# Altium PCB RFID final.PcbDoc (part 2 of 3) (continued)
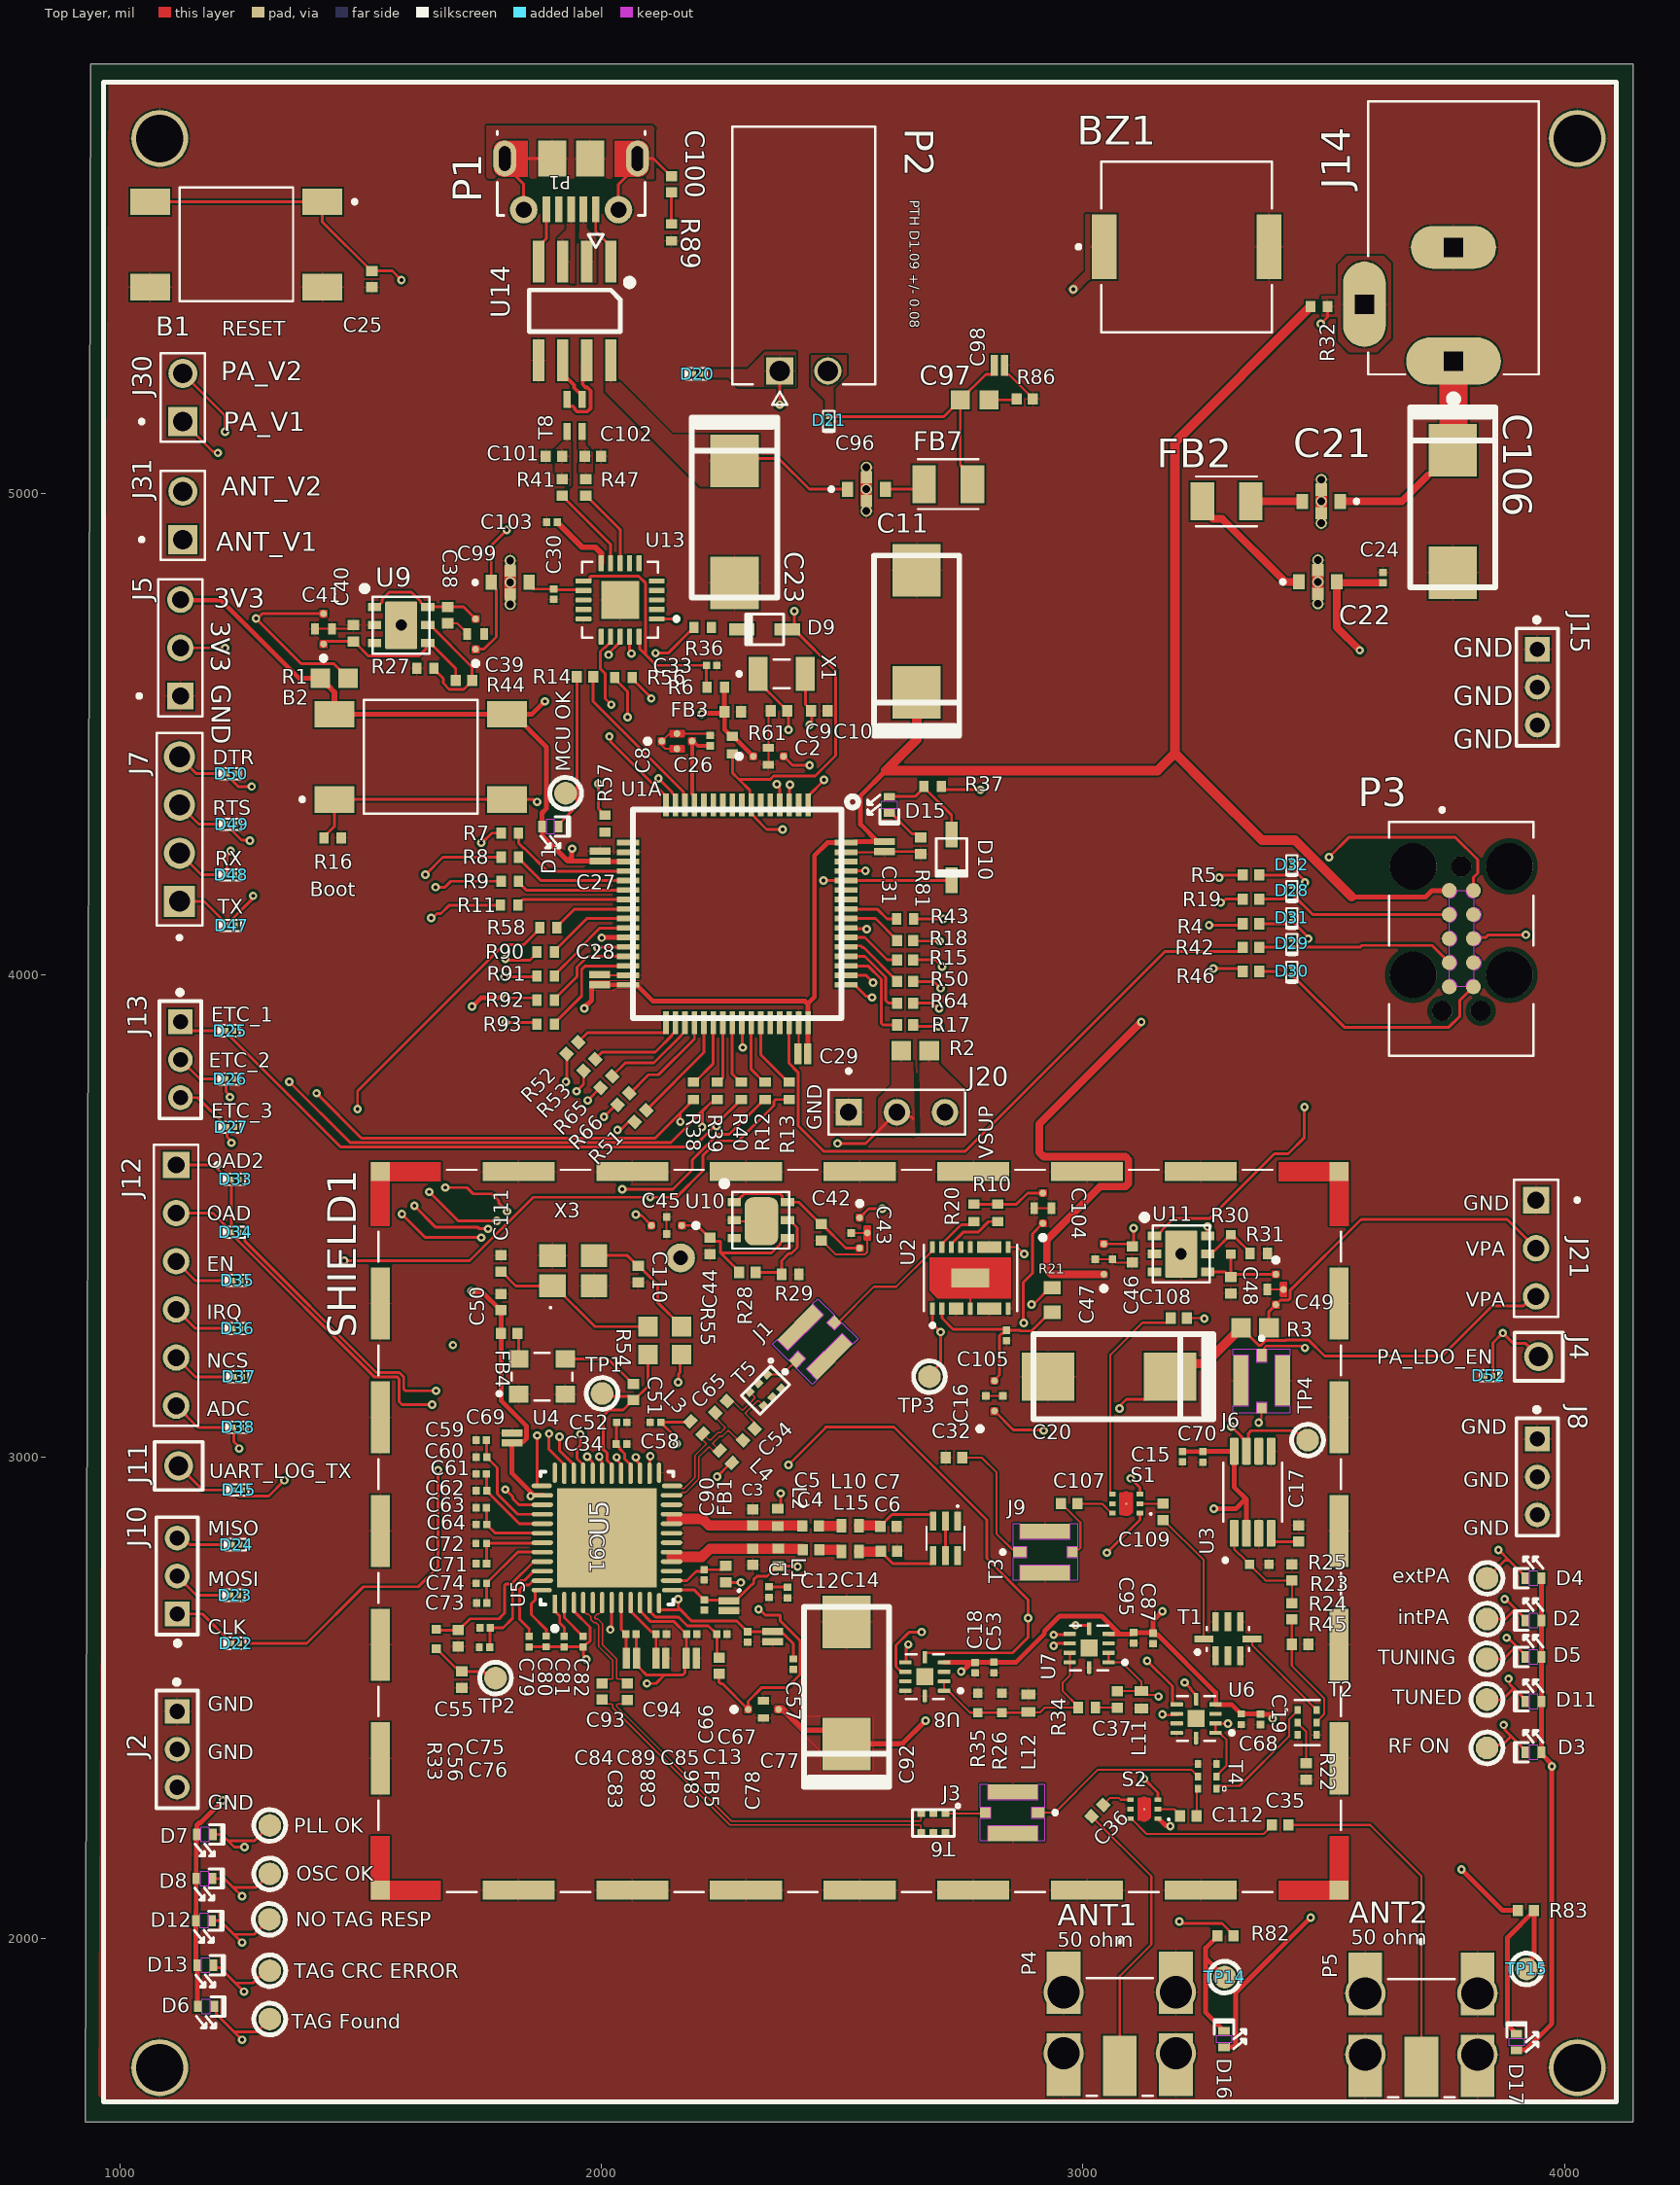
[diagram p0: Top Layer view]
## Nets (pads, with @x,y where several pads share a name; then routed paths per layer and width w, separated by ;. In a path a pad name is that pad's centre, name@x,y a point inside that pad or via, vN(x,y) a via of type N, cw(c..) or ccw(c..) an arc to the next point about the centre after c; other vN are vias at no path point) (continued)
  Routing w15.75: v1(3121,3903) 3210.19,3992.19 3330.19,3992.19 3575,4237 v1(3575,4675)
ADC: D38.1 J12.6 U5.39 | length 867.4
  Top Layer w5.91: J12.6@1116.14,3105.94 1161.14,3060.94 D38.1@1236.14,3060.94 1236.14,3031.05 1247,3020.2 v1(1247,3017) ; v1(1800,2932) 1815.92,2916.08 1815.92,2912.3 1827.99,2900.24 U5.39@1876.76,2900.24
  Gnd w5.91: v1(1247,3017) 1580,3017 1665,2932 v1(1800,2932)
AGD: C63.2 C64.2 U5.42 | length 158.5
  Top Layer w5.91: C63.2@1760.71,2894.31 1760.96,2894.05 1760.96,2859.56 C64.2@1761.22,2859.31 1761.22,2858.91 1778.95,2841.18 U5.42@1876.76,2841.18
ANT1: D16.C R82.2 TP14.TP? | length 280.9
  Top Layer w10: R82.2@3278.99,2005 3278.99,2003.82 3255,1979.83 3255,1958.58 ; D16.C@3292.95,1807.6 3289,1807.6 3286.14,1810.46 3286.14,1814.41 3255,1845.55 3255,1958.58 ; TP14.TP?@3294.29,1919.29 3255,1958.58
ANT1_LED: R82.1 U1A.28 | length 2863.6
  Top Layer w5.91: v1(1991,4057.14) 1992.29,4058.43 2054.45,4058.43 U1A.28@2054.88,4058.86 ; v1(3200,2035) 3203.2,2035 3207.7,2030.5 3288.69,2030.5 3313.01,2006.18 R82.1@3313.01,2005
  Routing w5.91: v1(1991,4057.14) 1991,3744.4 2342.81,3392.59 2342.81,2636.25 2944.06,2035 v1(3200,2035)
ANT2: D17.C R83.2 TP15.TP? | length 415.7
  Top Layer w10: D17.C@3900.59,1801.57 3896.64,1801.57 3893.78,1804.43 3893.78,1808.38 3882,1820.16 3882,2001.45 R83.2@3936.97,2056.42 ; TP15.TP?@3921.26,1936.02 3921.26,1946.1 3936.97,1961.81 R83.2@3936.97,2056.42 ; R83.2@3936.97,2057.6 R83.2@3936.97,2056.42
ANT2_LED: R83.1 U1A.27 | length 2944.9
  Top Layer w10: v1(2000,4078) 2000.27,4078.27 2054.61,4078.27 U1A.27@2054.88,4078.54 ; v1(3786.28,2142.81) 3871.48,2057.6 R83.1@3902.95,2057.6
  Gnd w10: v1(2000,4078) 1984.33,4078 1972.14,4065.81 1972.14,3979.53 2685.14,3266.53 2685.14,3191.86 3734.19,2142.81 v1(3786.28,2142.81)
Boot0: D10.A D15.A R37.2 | length 201.3
  Top Layer w5.91: D15.A@2597.64,4371.21 2651.05,4371.21 2669.65,4389.8 2727,4332.45 D10.A@2727,4292
CBIB: C88.2 C89.2 U5.9 | length 142.2
  Top Layer w5.91: U5.9@2060.24,2697.08 2059.08,2697.08 2059,2697 2059,2680.63 2103.37,2636.26 2108.46,2636.26 2113.19,2631.54 C89.2@2113.19,2631.34 2112.93,2631.08 2112.93,2581.95 C88.2@2112.68,2581.69
CBV: C83.2 C84.2 U5.8 | length 120
  Top Layer w5.91: U5.8@2040.55,2697.08 2040.55,2641.3 2050.31,2631.54 C84.2@2050.31,2631.34 2050.98,2630.67 2050.98,2582.36 C83.2@2051.65,2581.69
CD1: C61.2 C62.2 U5.41 | length 179.3
  Top Layer w5.91: C61.2@1760.71,2964.31 1760.96,2964.05 1760.96,2929.17 1829.27,2860.87 U5.41@1876.76,2860.87
CD2: C59.2 C60.2 U5.40 | length 231.9
  Top Layer w5.91: C59.2@1760.71,3034.31 1760.96,3034.05 1760.96,2999.56 C60.2@1761.22,2999.31 1761.22,2998.91 1783,2977.13 1783,2923 1825.45,2880.55 U5.40@1876.76,2880.55
CLK: D22.1 J10.1 R8.1 U5.37 U6.5 U7.5 U8.5 | length 4916.3
  Top Layer w5.91: J10.1@1118.19,2673.54 1170.67,2673.54 D22.1@1228.98,2615.24 ; D22.1@1231.93,2612.28 1231.93,2613.41 1236.95,2618.43 1236.95,2620.86 1240.73,2624.64 1255.65,2624.64 1259.43,2620.86 1259.43,2615.74 1262.88,2612.28 1387.28,2612.28 1505,2730 1619,2730 1660,2771 v1(1660,2972) ; v1(1585,3504) 1633,3456 1749.19,3456 v1(1750.09,3455.09) ; v1(1633.82,4209.18) 1634.18,4209.18 1670.28,4245.28 R8.1@1791.34,4245.28 ; v1(1866,3044) 1866,2941.23 1867.62,2939.61 U5.37@1875.5,2939.61 ; v1(2388,2983) 2465,3060 2465,3061.54 2607.46,3061.54 2800,2869 2800,2788.83 2886,2702.83 v1(2886,2664.81) 2886,2625 2853.62,2592.62 2672.64,2592.62 2671.26,2591.24 U8.5@2671.26,2583.66 ; v1(2984.67,2650.08) 3011.42,2650.08 3012.8,2648.7 U7.5@3012.8,2642.72 ; v1(3211,2531) 3224.24,2517.76 3224.24,2515.78 3235,2505.02 U6.5@3235,2496.35
  Gnd w5.91: v1(1660,2972) 1794,2972 v1(1866,3044) 1866,3046.98 1887.06,3068.04 1923.45,3068.04 1938.81,3052.68 1938.81,3040.04 1948.66,3030.19 2049,3030.19 2062.62,3043.81 2162.96,3043.81 2198,3008.77 2198,2977.23 2233.04,2942.19 2347.19,2942.19 v1(2388,2983)
  Routing w5.91: v1(1585,3504) 1585,4160 1633.82,4208.82 v1(1633.82,4209.18) ; v1(1750.09,3455.09) 1750.09,3159.91 v1(1866,3044) ; v1(2886,2664.81) 2886.81,2664.81 2913,2691 2975,2691 2984.67,2681.33 v1(2984.67,2650.08) ; v1@2984.67,2648.82 2985.93,2648.82 3103.75,2531 v1(3211,2531)
COMN_A: C80.2 U5.48 | length 124.2
  Top Layer w5.91: U5.48@1875.5,2723.07 1863.65,2723.07 1862.03,2721.45 1862.03,2702.55 1854,2694.52 1854,2672 1884.84,2641.16 C80.2@1884.84,2627.44
COMN_B: C82.2 U5.2 | length 86.3
  Top Layer w5.91: U5.2@1922.44,2697.08 1922.44,2665.98 1961.22,2627.2 C82.2@1961.61,2627.2
COMP_A: C79.2 U5.47 | length 160.3
  Top Layer w5.91: C79.2@1849.41,2627.2 1849.41,2642.59 1830,2662 1830,2725.54 1838.19,2733.73 1849.1,2733.73 1858.12,2742.76 U5.47@1876.76,2742.76
COMP_B: C81.2 U5.1 | length 74.7
  Top Layer w5.91: U5.1@1902.76,2693.88 1902.76,2679.39 1913.04,2669.11 1913.04,2655.03 1922.24,2645.82 C81.2@1922.24,2627.2
CRC_ERR: "TAG CRC ERROR.TP?" D13.C R66.2 | length 2475
  Top Layer w5.91: D13.C@1193.9,1943.9 1193.9,1943.75 1198.8,1938.85 1207.15,1938.85 1227.55,1918.45 1239,1907 ; v1(1257,1889) 1239,1907 ; 1310.65,1932.54 1301.54,1932.54 1276,1907 1239,1907 ; v1(2005,3706) 2030.15,3731.15 R66.2@2033.16,3731.15
  Routing w5.91: v1(1257,1889) 1400,1889 1604.08,2093.08 1608.1,2144.8 1621.78,3116.24 1621.78,3433.23 1894.55,3706 v1(2005,3706)
CRC_ERR_LED: R66.1 U1A.36 | length 215.6
  Top Layer w5.91: R66.1@2057.21,3755.21 2059.34,3755.21 2097.44,3793.31 2118.11,3793.31 2192.68,3867.87 U1A.36@2192.68,3901.38
D_CMC_N: C101.2 R41.1 T8.3
D_CMC_P: C102.2 R47.1 T8.2
D_CON_N: P1.2 U14.2
D_CON_P: P1.3 U14.3
D_ESD_N: T8.4 U14.7 | length 181.7
  Top Layer w7.48: T8.4@1928.15,5195.87 1928.15,5186.02 1932.28,5181.89 1940.15,5181.89 1944.53,5177.51 1944.53,5175.15 1948.77,5170.91 1970.52,5170.91 1977.13,5177.52 1977.13,5214.22 1970.52,5220.82 1967.03,5220.82 1960.44,5227.41 1960.44,5233.61 1960.83,5234 1960.83,5269.49 U14.7@1968.9,5277.56
D_ESD_P: T8.1 U14.6 | length 100.8
  Top Layer w7.48: U14.6@1918.9,5277.56 1918.9,5246.06 1926.97,5237.99 1930.78,5237.99 1942.96,5225.81 1942.96,5220.17 1959.65,5203.49 T8.1@1959.65,5195.87
Detector: TP4.TP? U1A.15 U3.7 | length 2157.9
  Top Layer w5.91: v1(2118,4409) 2145.98,4381.02 2145.98,4379.18 2153.31,4371.85 U1A.15@2153.31,4354.13 ; v1(3308,3063) 3329.68,3041.32 3329.68,3040 3339.57,3030.12 U3.7@3339.57,3011.42 3343.23,3015.08 3343.23,3048.23 3349.19,3054.19 3440.34,3054.19 3460.08,3034.45 TP4.TP?@3466.54,3034.45
  Gnd w5.91: v1(2118,4409) 2118,4331 2647.16,3801.84 2647.16,3702.39 3286.55,3063 v1(3308,3063)
DTR: D50.1 J7.04 R37.1 U13.18 | length 2053.4
  Top Layer w5.91: J7.04@1123.03,4453.66 1158.03,4418.66 D50.1@1221.77,4418.66 1221.77,4417.54 1226.8,4412.52 1226.8,4410.08 1244.88,4392 v1(1273,4392) ; v1(2014.41,4665.68) 2014.41,4668.15 2038.39,4692.13 U13.18@2038.39,4703.35 ; R37.1@2705.63,4391.97 2711.6,4386 2711.6,4385.94 2712.32,4385.22 v1(2787,4385.22)
  Gnd w5.91: v1(2014.41,4665.68) 2088.28,4591.81 2508.66,4591.81 2643.47,4457 2716,4457 2787,4386 v1(2787,4385.22)
  Routing w5.91: v1(1273,4392) 1737,4392 1997.93,4652.93 2001.67,4652.93 v1(2014.41,4665.68)
EN: D35.1 J12.3 R13.1 U5.31 | length 2208.8
  Top Layer w5.91: J12.3@1116.14,3405.94 1156.14,3365.94 D35.1@1234.88,3365.94 ; v1(1465,3407) 1725.77,3407 1857.7,3538.93 v1(2100.78,3538.93) 2155.45,3538.93 2210.55,3594.03 2210.55,3625.67 2240.87,3656 2284.3,3656 2357.83,3729.53 2357.83,3738.39 2361.29,3741.85 R13.1@2389.76,3741.85 ; v1(1995,3000) 1995,2996.8 2000.51,2991.3 2000.51,2966.27 U5.31@2001.18,2965.6
  Gnd w5.91: J12.3@1116.14,3405.94 1116.67,3406.47 1464.47,3406.47 v1(1465,3407)
  Routing w5.91: v1(1995,3000) 2115.32,3120.32 2115.32,3533.29 2111.86,3536.75 2102.96,3536.75 v1(2100.78,3538.93)
ETC_1: D25.1 J13.1 R40.2 U6.6 | length 3066.1
  Top Layer w5.91: J13.1@1125,3903.35 1143.74,3884.61 D25.1@1220,3884.61 1221.83,3882.78 1221.83,3879.22 1458.05,3643 2190.77,3643 2228.32,3680.55 2228.32,3680.67 v1@2236.33,3688.67 ; v1(2238.61,3686.39) v1@2236.33,3688.67 ; R40.2@2290.35,3741.85 2288.19,3741.85 2281.5,3735.16 2281.5,3733.84 2249,3701.35 v1@2236.33,3688.67 ; v1(3133,2576) 3185.69,2523.31 3185.69,2486.91 3187.07,2485.53 U6.6@3194.65,2485.53
  Routing w5.91: v1(2238.61,3686.39) 2281.12,3643.88 2352.39,3643.88 2512.73,3483.54 2529.51,3483.54 2706.31,3306.75 2706.31,3285.08 2687.19,3265.96 2687.19,3252.04 2697.04,3242.19 2710.96,3242.19 2730.08,3261.31 2734.97,3261.31 2867.59,3128.68 2867.59,3081.13 2911.29,3037.44 2958.84,3037.44 3133,2863.28 v1(3133,2576)
ETC_2: D26.1 J13.2 R39.2 U7.6 | length 2736
  Top Layer w5.91: J13.2@1125,3824.61 1165,3784.61 D26.1@1220,3784.61 1220,3758.2 1228,3750.2 v1(1228,3747) ; v1(1351,3779) 1477.59,3652.41 2143.91,3652.41 2209,3717.5 ; v1(2209,3685) 2209,3717.5 ; R39.2@2240.16,3741.85 2233.46,3735.16 2226.66,3735.16 2209,3717.5 ; v1(2939,2630) 2939.94,2630.94 2971.5,2630.94 U7.6@2972.44,2631.89
  Routing w5.91: v1(1228,3747) 1319,3747 v1(1351,3779) ; v1(2209,3685) 2259.52,3634.48 2283.81,3634.48 2567,3351.29 2567,2950.23 2869.23,2648 2921,2648 v1(2939,2630)
ETC_3: D27.1 J13.3 R38.2 U8.6 | length 2575.4
  Top Layer w5.91: J13.3@1125,3745.87 1160.61,3745.87 1218.92,3687.56 1220.04,3687.56 1221.87,3685.73 D27.1@1221.87,3684.61 1221.87,3664.33 1231,3655.2 v1(1231,3652) ; v1(1408,3755) 1501.19,3661.81 2110.91,3661.81 2161.46,3712.37 ; v1(2163.36,3695.64) 2163.36,3714.27 2182.09,3732.99 2182.09,3735.16 2188.78,3741.85 R38.2@2190.94,3741.85 ; U8.6@2631.18,2572.57 2631.18,2572.83 2632.55,2574.21 2632.55,2602.36 2637,2606.8 v1(2637,2610)
  Routing w5.91: v1(1231,3652) 1305,3652 v1(1408,3755) ; v1(2163.36,3695.64) 2273.25,3585.75 2273.25,3584.3 2337.9,3519.66 2342.71,3519.66 2539.34,3323.02 2539.34,2761.66 2577,2724 2577,2670 v1(2637,2610)
extPA: D4.C extPA.TP? R18.2 | length 2167.6
  Top Layer w5.91: R18.2@2647.64,4071.97 2651.5,4071.97 2652.46,4071 v1(2702,4071) ; extPA.TP?@3839.17,2747.56 3876.55,2784.94 3884.94,2784.94 ; v1(3863,2806) 3863.87,2806 3884.94,2784.94 ; D4.C@3918.36,2747.56 3918.36,2751.51 3884.94,2784.94
  Routing w5.91: v1(2702,4071) 3040,3733 3405.54,3733 3408.32,3735.78 3412.26,3735.78 3788,3360.04 3788,2877.92 3859.92,2806 v1(3863,2806)
extPA_LED: R18.1 U1A.56 | length 125.7
  Top Layer w5.91: U1A.56@2507.64,4117.91 2568.86,4117.91 2613.62,4073.15 R18.1@2613.62,4071.97
GND: B1.3 B1.4 BZ1.2 C1.2 C3.2 C6.1 C7.2 C8.1 C8.2 C9.1 C10.1 C11.2 C12.1 C13.1 C14.2 C15.1 C17.1 C18.1 C19.1 C20.2 C21.2 C21.2_1 C21.2_2 C21.2_3 C21.2_4 C22.2 C22.2_1 C22.2_2 C22.2_3 C22.2_4 C23.2 C24.1 C25.1 C26.1 C27.1 C28.1 C29.1 C30.1 C31.1 C32.2 C33.1 C34.1 C38.1 C40.1 C42.1 C43.2 C44.1 C46.1 C48.1 C49.2 C50.1 C52.1 C53.1 C55.1 C56.1 C57.2 C58.1 C59.1 C60.1 C61.1 C62.1 C63.1 C64.1 C66.1 C67.1 C68.1 C69.1 C70.1 C71.1 C72.1 C73.1 C74.1 C75.1 C76.1 C77.1 C78.1 C85.1 C86.1 C87.1 C88.1 C89.1 C90.1 C92.2 C95.1 C96.2 C96.2_1 C96.2_2 C96.2_3 C96.2_4 C98.1 C99.2 C99.2_1 C99.2_2 C99.2_3 C99.2_4 C101.1 C102.1 C103.1 C105.1 C106.2 C110.2 C111.2 D20.1 D21.1 D22.2 D23.2 D24.2 D25.2 D26.2 D27.2 D28.2 D29.2 D30.2 D31.2 D32.2 D33.2 D34.2 D35.2 D36.2 D37.2 D38.2 D45.2 D47.2 D48.2 D49.2 D50.2 D52.2 FB3.2 J1.G1 J1.G2 J2.1 J2.2 J2.3 J3.G1 J3.G2 J5.1 J6.G1 J6.G2 J8.1 J8.2 J8.3 J9.G1 J9.G2 J14.2 J15.1 J15.2 J15.3 J20.1 J21.1 L11.1 L12.1 P3.3 P3.5 P4.S1 P4.S2 P4.S3 P4.S4 P4.S5 P4.S6 P4.S7 P4.S8 P5.S1 P5.S2 P5.S3 P5.S4 P5.S5 P5.S6 P5.S7 P5.S8 pad.2 pad.4 pad.6 pad.9 pad.11 pad.12 pad.13 pad.15 pad.16 pad.17 pad.18 pad.19 pad.E.P. pad.MH1 pad.MH2 pad.MH3 pad.MH4 R16.1 R22.1 R23.1 R25.1 R26.1 R27.2 R29.2 R31.2 R35.1 R45.1 R81.1 R86.1 R89.1 S1.5 S1.7 S2.5 S2.7 SHIELD1.S1 SHIELD1.S2 SHIELD1.S3 SHIELD1.S4 SHIELD1.S5 SHIELD1.S6 SHIELD1.S7 SHIELD1.S8 SHIELD1.S9 SHIELD1.S10 SHIELD1.S11 SHIELD1.S12 SHIELD1.S13 SHIELD1.S14 SHIELD1.S15 SHIELD1.S16 SHIELD1.S17 SHIELD1.S18 SHIELD1.S19 SHIELD1.S20 SHIELD1.S21 SHIELD1.S22 SHIELD1.S23 SHIELD1.S24 SHIELD1.S25 SHIELD1.S26 SHIELD1.S27 SHIELD1.S28 T1.1 T1.3 T1.5 T1.7 T2.3 T2.4 T3.1 T4.3 T4.4 T5.2 T5.5 T6.2 T6.5 U1A.12 U1A.18 U1A.31 U1A.47 U1A.63 U2.3 U2.4 U2.5 U2.6 U2.8 U2.9 U2.10 U2.14 U3.3 U3.5 U4.1 U4.2 U5.5 U5.15 U5.18 U5.19 U5.22 U5.25 U5.49 U6.3 U6.8 U6.9 U6.10 U6.11 U7.3 U7.10 U7.11 U8.3 U8.8 U8.9 U8.10 U8.11 U9.2 U9.E.P. U9.E.P.1 U9.GND_VIA U10.2 U11.2 U11.E.P. U11.E.P.1 U11.GND_VIA U13.3 U13.13 U13.15 U13.21 U14.5 X3.2 X3.4 | length 1454.9
  Top Layer w4.23: pad.18@1404.53,4719.49 pad.19@1439.96,4719.49 1476.38,4719.49 C40.1@1484.25,4727.36 ; C38.1@1680.12,4731.02 1700.08,4731.02 pad.2@1722.44,4708.66 ; C28.1@1996,4001 1997.2,3999.8 U1A.31@2054.88,3999.8 ; SHIELD1.S17@2063.62,3592 SHIELD1.S17@2064,3592 ; pad.13@2135,3462.54 pad.15@2135,3497.97 ; C8.2@2156.5,4470.47 2131.89,4470.47 2124.02,4478.35 2124.02,4485.24 C8.1@2125,4486.22 2140.38,4501.6 2156.13,4501.6 C8.2@2156.5,4501.97 2221.46,4501.97 C26.1@2225.39,4498.03 ; U10.2@2275.88,3491.39 2278.28,3489 pad.E.P.@2332,3489 ; pad.4@2346.46,4438.98 2346.46,4544.29 C9.1@2351.38,4549.21 ; C29.1@2407.64,3836.97 2409.21,3838.54 U1A.47@2409.21,3901.38 ; C42.1@2456.02,3449.33 2457.2,3449.33 2486.68,3419.86 2546.22,3419.86 2551.77,3425.41 2551.77,3461.48 C43.2@2555.13,3464.84 ; U1A.63@2507.64,4255.71 2586.38,4255.71 C31.1@2587.64,4256.97 2657.64,4256.97 R81.1@2662.64,4251.97 ; pad.6@2518.31,3464.84 C43.2@2551.77,3464.84 ; SHIELD1.S19@2536.06,3592 SHIELD1.S19@2536.06,3595.94 ; T3.1@2739.59,2866 T3.1@2739.59,2878.8 ; U2.4@2766.02,3307.56 U2.14@2766.02,3371.34 ; pad.11@2798.31,3126.34 pad.12@2833.74,3126.34 ; C98.1@2836.71,5267 2836.71,5252.83 2842.08,5247.46 2846.73,5247.46 2896.01,5198.18 R86.1@2896.01,5197 ; pad.2@2900.75,3516.18 pad.4@2932.24,3516.18 ; SHIELD1.S21@2945.73,3574.43 2963.3,3592 SHIELD1.S21@3008.5,3592 ; pad.16@3025.59,3410.43 pad.17@3061.02,3410.43 3068.19,3403.27 C46.1@3102.36,3403.27 ; pad.9@3382.87,3347.44 C49.2@3416.34,3347.44
  RF_Ground w1.85: 2063,3592 2064,3592 ; 2536.06,3595.94 2568.64,3595.94 ; 2751,3592 2784,3592 2785,3591
IN_N: C94.2 U5.6 | length 213.9
  Top Layer w3.05: U5.6@2001.18,2697.08 2001.18,2679.78 1994.42,2673.02 1990.68,2673.02 1985.52,2667.87 1985.52,2665.34 1987.92,2662.94 1992.16,2662.94 2001.55,2653.55 2001.55,2609.92 2031.24,2580.24 2031.24,2539.71 2033.03,2537.92 2044.05,2537.92 C94.2@2053.15,2528.82
IN_P: C93.2 U5.4 | length 213.9
  Top Layer w3.05: U5.4@1961.81,2697.08 1961.81,2679.78 1968.58,2673.02 1972.32,2673.02 1977.47,2667.87 1977.47,2662 1984.58,2654.89 1988.83,2654.89 1993.5,2650.22 1993.5,2606.59 2023.19,2576.9 2023.19,2539.71 2021.4,2537.92 2009.38,2537.92 C93.2@2000.98,2529.53
intPA: D2.C intPA.TP? R15.2 | length 2261.3
  Top Layer w5.91: R15.2@2647.64,4031.97 2693.03,4031.97 v1(2707,4018) ; intPA.TP?@3839.17,2662.91 3877.27,2662.91 3898.32,2683.96 ; v1(3876,2704) 3878.27,2704 3898.32,2683.96 ; D2.C@3918.36,2659.96 3918.36,2663.91 3898.32,2683.96
  Routing w5.91: v1(2707,4018) 3035,3690 3411,3690 3751,3350 3751,2749 3796,2704 v1(3876,2704)
intPA_LED: R15.1 U1A.54 | length 125.3
  Top Layer w5.91: U1A.54@2507.64,4078.54 2546.65,4078.54 2593.23,4031.97 R15.1@2613.62,4031.97
IRQ: D36.1 J12.4 R12.1 U5.32 | length 2214.2
  Top Layer w5.91: J12.4@1116.14,3305.94 1155.01,3267.07 1233.75,3267.07 D36.1@1234.88,3265.94 ; v1(1970,3000) 1980.82,2989.18 1980.82,2966.27 U5.32@1981.5,2965.6 ; v1(2043,3555.74) 2147.74,3555.74 2188.14,3596.14 2188.14,3616.56 2241.15,3669.58 2265.13,3669.58 2337.4,3741.85 R12.1@2339.57,3741.85
  Gnd w5.91: J12.4@1116.14,3305.94 1618.94,3305.94 1691,3233.89 v1(1691,3232)
  Routing w5.91: v1(1691,3232) 1691,3176.03 1867.03,3000 v1(1970,3000) 2087.81,3117.81 2087.81,3509.96 2083.97,3513.8 2083.97,3539.84 2065.81,3558 2059.91,3558 2045.26,3558 v1(2043,3555.74)
LF_CEXT: C56.2 R33.2 U5.45 | length 314.2
  Top Layer w5.91: R33.2@1656.99,2641.73 R33.2@1656.5,2641.73 1658.22,2640.01 C56.2@1702,2640.01 1703.18,2640.01 1726.61,2663.44 1786.64,2663.44 1798,2674.8 1798,2732.54 1801.46,2736 1812.7,2736 1858.82,2782.13 U5.45@1876.76,2782.13
LP_FILTER_IN: C109.1 T1.8 | length 282.5
  Top Layer w4.23: C109.1@3166.34,2868.54 3167.52,2868.54 3250.83,2785.24 T1.8@3250.83,2621.77
LP_FILTER_OUT: T1.4 T2.6 | length 203.7
  Top Layer w4.23: T1.4@3351.22,2621.77 3351.22,2608.54 3479.81,2479.96 3480.62,2479.96 3485,2475.57 T2.6@3485,2474
MCU: "MCU OK.TP?" D1.C R14.2 | length 326.8
  Top Layer w5.91: D1.C@1910.43,4309.06 1910.43,4313.01 1948.54,4351.12 R14.2@1948.54,4620.08
"MCU LED": R14.1 U1A.14 | length 344.8
  Top Layer w5.91: R14.1@1982.56,4620.08 1982.56,4568.44 2170.04,4380.96 2170.04,4357.09 U1A.14@2172.99,4354.13
MISO: D24.1 J10.3 R9.1 U5.34 | length 2590.1
  Top Layer w5.91: J10.3@1118.19,2831.02 1130.44,2831.02 1144.18,2817.28 D24.1@1233.19,2817.28 ; v1(1642.02,3549.98) 1702,3490 v1(1782,3490) ; v1(1655.19,4183) 1674.5,4183 1686.78,4195.28 R9.1@1791.34,4195.28 ; v1(1912.59,3041.82) 1912.59,3012.82 1942.13,2983.29 U5.34@1942.13,2965.6
  Gnd w5.91: J10.3@1118.19,2831.02 1723.25,2831.02 1913.38,3021.15 1913.38,3041.04 v1(1912.59,3041.82)
  Routing w5.91: v1(1642.02,3549.98) 1642.13,3549.98 1693.02,3600.87 1693.02,4141.97 1655.19,4179.8 v1(1655.19,4183) ; v1(1782,3490) 1922,3350 1922,3054.42 1912.59,3045.02 v1(1912.59,3041.82)
MOSI: D23.1 J10.2 R11.1 U5.35 U6.7 U7.7 U8.7 | length 4469.1
  Top Layer w5.91: J10.2@1118.19,2752.28 1158.19,2712.28 D23.1@1230.06,2712.28 ; v1(1611,3521) 1655.63,3476.37 1743.16,3476.37 1746.11,3473.42 1763.6,3473.42 v1(1763.83,3473.19) ; v1(1645.78,4119) 1648.98,4119 1657.99,4128.01 1666.01,4128.01 1683.67,4145.67 R11.1@1790.08,4145.67 ; v1(1890.71,3047.92) 1890.71,3015.02 1922.44,2983.29 U5.35@1922.44,2965.6 ; U8.7@2630.91,2553.15 2622.24,2553.15 2611.46,2563.93 2611.46,2608.24 2639.23,2636 v1(2665,2636) ; v1(2939,2607.28) 2942.2,2607.28 2947.12,2612.2 U7.7@2972.44,2612.2 ; v1(3165,2465) 3166.63,2463.37 3195.63,2463.37 3194.65,2464.35 U6.7@3194.65,2465.84
  Gnd w5.91: J10.2@1118.19,2752.28 1657.81,2752.28 1935.54,3030.01 ; v1(1890.71,3047.92) 1893.91,3047.92 1904.62,3058.63 1919.56,3058.63 1929.41,3048.78 1929.41,3036.14 1935.54,3030.01 ; v1(2665,2636) 2665,2658.8 2606.8,2717 2334.77,2717 2280.77,2771 2044,2771 1938.81,2876.19 1938.81,3026.74 1935.54,3030.01
  Routing w5.91: v1(1611,3521) 1596,3536 1596,4069.22 v1(1645.78,4119) ; v1(1763.83,3473.19) 1890.71,3346.3 v1(1890.71,3047.92) ; v1(2665,2636) 2666,2637 2866.92,2637 2891.92,2612 2896.06,2612 ; v1(2939,2607.28) 2937.24,2609.05 2921.28,2609.05 2918.33,2612 2896.06,2612 ; v1(3165,2465) 3043.06,2465 2896.06,2612
NCS: D37.1 J12.5 R7.1 U5.33 | length 2618
  Top Layer w5.91: J12.5@1116.14,3205.94 1156.14,3165.94 D37.1@1238.01,3165.94 ; v1(1675.04,3559.12) 1720.17,3559.12 1733.29,3546 1772,3546 1786.7,3531.3 1786.7,3526.63 v1(1803.67,3509.67) ; v1(1750,4275) 1751.65,4275 1771.93,4295.28 R7.1@1791.34,4295.28 ; v1(1955.62,3047) 1955.62,3023.26 1949,3016.64 1949,2996.1 1961.81,2983.29 U5.33@1961.81,2965.6
  Gnd w5.91: J12.5@1116.14,3205.94 1800.13,3205.94 1948.22,3057.86 1948.22,3057.6 1955.62,3050.2 v1(1955.62,3047)
  Routing w5.91: v1(1675.04,3559.12) 1678.24,3559.12 1687.82,3568.7 1694.7,3568.7 1702.43,3576.43 1702.43,4227.43 v1(1750,4275) ; v1(1803.67,3509.67) 1878.44,3434.89 1883.11,3434.89 1955.62,3362.38 v1(1955.62,3047)
NetB1_1: B1.1 B1.2 C25.2 D9.A R5.1 R61.1 U1A.7 | length 3509.7
  Top Layer w5.91: B1.2@1061.87,5606.58 B1.1@1420.13,5606.58 1420.13,5564.2 1521.46,5462.87 C25.2@1522.64,5462.87 1540.87,5462.87 1541,5463 1565,5463 v1(1584,5444) ; R61.1@2271.65,4460.24 2271.65,4420.35 2285,4407 ; v1(2376,4303) 2342.95,4303 2317.92,4328.04 2317.92,4329.29 2310.79,4336.42 U1A.7@2310.79,4354.13 2307.83,4357.09 2307.83,4384.17 2285,4407 ; D9.A@2385.83,4718.5 D9.A@2390.16,4718.5 ; v1(2400,4756) 2400,4728.35 D9.A@2390.16,4718.5 ; v1(3283,4203) 3286.2,4203 3291.35,4208.15 R5.1@3331.85,4208.15 ; 2285,4407 2350.23,4407 2357.04,4413.81 2443.81,4413.81 2486.14,4456.14 2486.14,4631.97 2399.61,4718.5 D9.A@2390.16,4718.5
  Gnd w5.91: v1(2376,4303) 2568,4303 2634,4237 2750,4237 2784,4203 v1(3283,4203)
  Routing w5.91: v1(1584,5444) 2272,4756 v1(2400,4756)
NetB2_1: B2.1 B2.2 D10.C R16.2 U1A.60 | length 1441
  Top Layer w5.91: R16.2@1423.23,4285.43 1423.23,4287.6 1444.88,4309.25 B2.1@1444.88,4365.16 B2.2@1803.15,4365.16 1857.65,4365.16 1862.8,4360 v1(1866,4360) ; v1(2461,4197) 2461.17,4196.83 2507.46,4196.83 U1A.60@2507.64,4196.65 2726.14,4196.65 D10.C@2727,4197.51
  Routing w5.91: v1(1866,4360) 2048,4360 2158,4250 2408,4250 v1(2461,4197)
NetBZ1_1: BZ1.1 U1A.61 | length 1429
  Top Layer w5.91: U1A.61@2507.64,4216.34 2507.97,4216.67 2547.67,4216.67 v1(2548,4217) ; v1(2980,5425) v1@2981,5426
  Routing w5.91: v1(2548,4217) 2548,4256.7 2980,4688.7 v1(2980,5425)
NetC2_3: C2.3 U1A.1 | length 169.8
  Top Layer w5.91: C2.3@2377.95,4454.72 2396.68,4436 v1(2432,4436) ; U1A.1@2428.9,4354.13 2428.9,4371.85 2462,4404.95 v1(2462,4406)
  Routing w5.91: v1(2432,4436) v1(2462,4406)
NetC4_2: C4.2 L15.1 | length 47.6
  Top Layer w5.91: L15.1@2494,2807 L15.1@2498,2803
  Top Layer w21.65: C4.2@2452.01,2807 L15.1@2494,2807
NetC5_2: C5.2 L10.2 | length 47.4
  Top Layer w5.91: L10.2@2497,2856 L10.2@2498,2857
  Top Layer w21.65: C5.2@2451.01,2856 L10.2@2497,2856
NetC6_2: C6.2 L15.2 T3.4 | length 179.6
  Top Layer w5.91: C6.2@2579.99,2804 2579.99,2802.82 2605.22,2777.59 2606.03,2778.4 2684.47,2778.4 2688.41,2782.34 T3.4@2688.41,2795.13
  Top Layer w21.65: L15.2@2534.22,2803 C6.2@2578.99,2803
NetC7_1: C7.1 L10.1 T3.3 | length 177.7
  Top Layer w5.91: C7.1@2577,2857 C7.1@2578,2856 ; C7.1@2579,2855 C7.1@2578,2856 ; T3.3@2688.41,2866 2688.41,2876.06 2684.47,2880 2602.82,2880 2578.82,2856 C7.1@2578,2856
  Top Layer w21.65: L10.1@2534.22,2857 C7.1@2577,2857
NetC12_2: C12.2 C14.1 | length 38.4
  Top Layer w5.91: C12.2@2348,2730.13 2348.53,2729.59 2385.47,2729.59 C14.1@2386,2729.06
NetC13_2: C13.2 FB5.1 U5.11 | length 227.7
  Top Layer w5.91: U5.11@2099.61,2697.08 2099.61,2679.39 2112.1,2666.89 2160.11,2666.89 2178,2649 2221.63,2649 2234.37,2636.26 2234.57,2636.26 2239.29,2631.54 C13.2@2239.29,2631.34 2239.29,2587.72 FB5.1@2244,2583.02
NetC16_3: C16.3 C105.2 R21.1 U2.2 | length 393
  Top Layer w5.91: U2.2@2706.97,3307.56 2706.97,3288.03 2730,3265 2838.78,3265 C105.2@2841.02,3262.76 ; C16.3@2816.02,3157.83 2816.02,3159.04 2826.7,3169.71 2826.7,3251.69 2830.48,3255.47 2833.54,3255.47 2840.83,3262.76 C105.2@2841.02,3262.76 ; R21.1@2936.02,3300.16 2932.09,3300.16 2893.12,3261.19 2870.04,3261.19 2868.47,3262.76 C105.2@2841.02,3262.76
NetC17_2: C17.2 U3.4 | length 70.8
  Top Layer w5.91: U3.4@3390.75,2840.94 3390.75,2829.84 3397.05,2823.54 C17.2@3447.83,2823.54
NetC21_1: C21.1 C106.1 J14.1 | length 466.2
  Top Layer w5.91: 3716.43,5038.43 3720.76,5038.43 3768,5085.67 C106.1@3768,5090 C106.1@3769.68,5091.69
  Top Layer w15.75: C21.1@3534.45,4984.25 3662.25,4984.25 3716.43,5038.43
  Top Layer w59.06: C106.1@3769.68,5091.69 J14.1@3769.68,5275.59
NetC21_3: C21.3 FB2.1 | length 107.3
  Top Layer w15.75: FB2.1@3348.43,4984.25 C21.3@3455.71,4984.25
NetC22_1: C22.1 FB2.2 | length 278.5
  Top Layer w5.91: FB2.2@3248.03,4984.25 3248.03,4969.49 FB2.2@3269.68,4947.83
  Top Layer w15.75: FB2.2@3269.68,4947.83 3289.31,4947.83 3420.15,4817 C22.1@3448.63,4817
NetC23_1: C23.1 C96.1 U14.8 | length 262.6
  Top Layer w5.91: C23.1@2276,5068.77 2280.23,5073 2368,5073 2431.39,5009.61 C96.1@2510.63,5009.61
NetC30_2: C30.2 C99.3 U13.12 | length 122
  Top Layer w5.91: C99.3@1849.41,4815.94 1849.41,4812.01 1859.25,4802.17 C30.2@1900.59,4802.17 1902.07,4800.69 1960.73,4800.69 U13.12@1962.2,4799.21
NetC32_1: C32.1 J9.A | length 275.8
  Top Layer w4.23: C32.1@2749,2998 2790,2998 2820,2968 2820,2840.29 2852.68,2807.61 2863.18,2807.61 J9.A@2868.79,2802
NetC35_1: C35.1 S2.6 | length 315.9
  Top Layer w4.23: S2.6@3098.46,2248.32 3100.43,2248.32 3132.21,2216.53 3375.27,2216.53 3378.22,2219.48 3378.22,2219.56 3392.72,2234.05 C35.1@3392.72,2235.24
NetC35_2: C35.2 P5.1 | length 716.7
  Top Layer w4.23: C35.2@3426.73,2235.24 3596.76,2235.24 3702.95,2129.05 P5.1@3702.95,1732.6
NetC36_1: C36.1 S2.4 | length 64
  Top Layer w4.23: C36.1@3042.03,2277.03 3056.45,2291.45 3074.59,2291.45 3078.35,2287.68 S2.4@3098.46,2287.68
NetC36_2: C36.2 P4.1 | length 596.4
  Top Layer w4.23: C36.2@3017.97,2252.97 3142,2128.95 3142,1987 3076.42,1921.42 P4.1@3076.42,1735.16
NetC37_1: C37.1 L11.2 T4.2 U6.1 U6.2 U7.1 U7.2 | length 540.8
  Top Layer w4.23: U7.2@3053.15,2592.52 U7.1@3053.15,2572.83 3081.3,2572.83 3121.06,2533.07 L11.2@3121.06,2513.19 ; C37.1@3071,2513 3120.87,2513 L11.2@3121.06,2513.19 ; v1(3157,2502) 3153.35,2502 3150.09,2505.26 3128.99,2505.26 L11.2@3121.06,2513.19 ; T4.2@3277.49,2336 3277.49,2337.57 3298,2358.09 3298,2392.62 3298.19,2392.81 3298.19,2411.81 3288,2422 3288,2422.49 3284.02,2426.47 U6.1@3275.35,2426.47 U6.2@3275.35,2446.16 3275.43,2446.08 3300.92,2446.08 v1(3301,2446)
  Routing w1.85: v1(3157,2502) 3213,2446 v1(3301,2446)
NetC37_2: C37.2 R34.1 | length 45
  Top Layer w4.23: R34.1@3025.99,2479 C37.2@3071,2478.98
NetC38_2: C38.2 C39.3 U9.1 U9.6 | length 250.5
  Top Layer w5.91: U9.1@1528.54,4764.76 1533.46,4764.76 1543.74,4775.04 1543.74,4780.74 1559,4796 1604.67,4796 1623.58,4777.09 1623.58,4775.04 1633.86,4764.76 U9.6@1638.78,4764.76 1639.06,4765.04 C38.2@1680.12,4765.04 1713.31,4765.04 C39.3@1738.19,4740.16
NetC40_2: C40.2 C41.1 R44.2 U9.4 | length 354.3
  Top Layer w5.91: C41.1@1422.24,4687.99 1424.48,4687.99 1429.84,4693.35 C40.2@1484.25,4693.35 1484.25,4689.49 1489.29,4689.49 1515.78,4663 1620,4663 1635.15,4678.15 1635.32,4678.15 1635.32,4686.5 U9.4@1638.78,4689.96 1643.7,4689.96 1696.85,4636.81 R44.2@1696.85,4612.2
NetC41_3: C41.3 J5.2 R1.1 | length 569.6
  Top Layer w5.91: J5.2@1125,4680 v1(1218,4680) ; C41.3@1422.24,4750.98 1295.18,4750.98 1285.2,4741 v1(1282,4741) 1283.6,4739.4 1375.91,4647.09 1443.46,4647.09 1455.91,4634.65 1455.91,4634.25 1473.03,4617.13 R1.1@1473.43,4617.13
  Routing w5.91: v1(1218,4680) 1219.5,4680 1280.5,4741 v1(1282,4741)